# Altium PCB Основной блок.PcbDoc
Units mm, origin at the board's own origin, x right, y up, seen from the top; angles counter-clockwise.
Board outline 105 x 64 mm, 2 copper layers (Top Layer, Bottom Layer); 50 components, 52 nets, 217 pads, 20 vias.
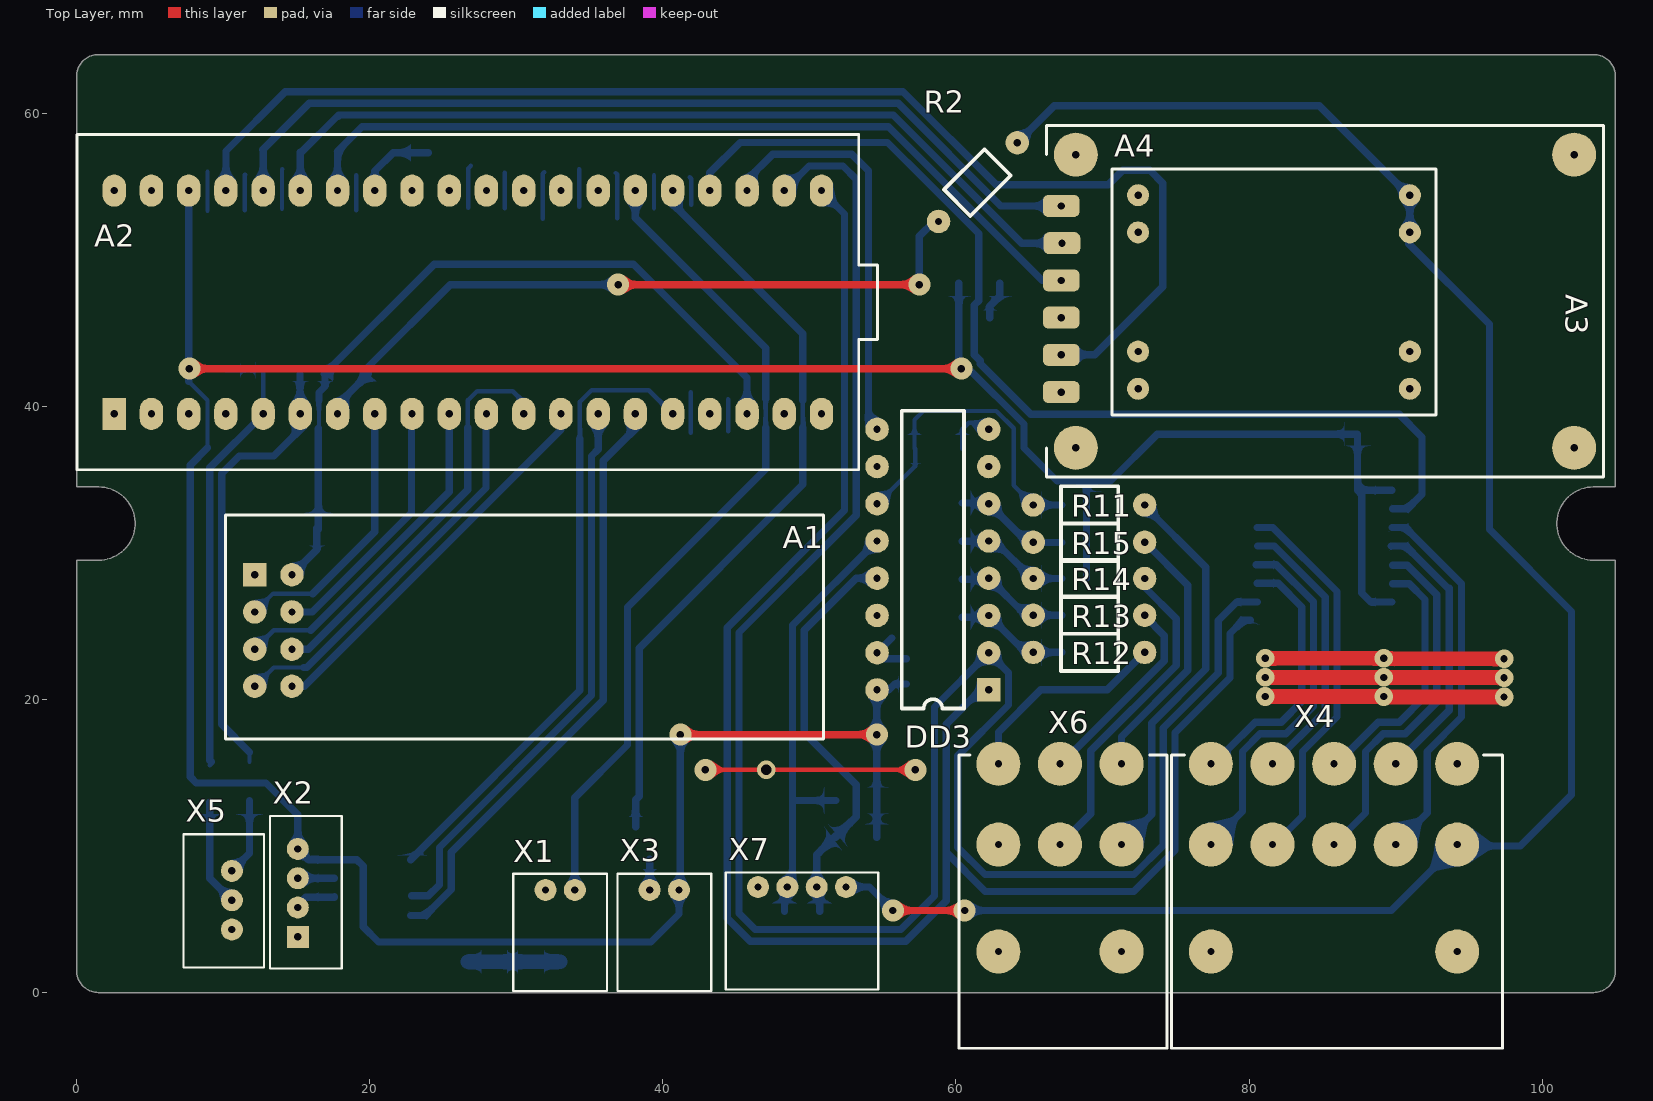
[diagram p0: Top Layer view]
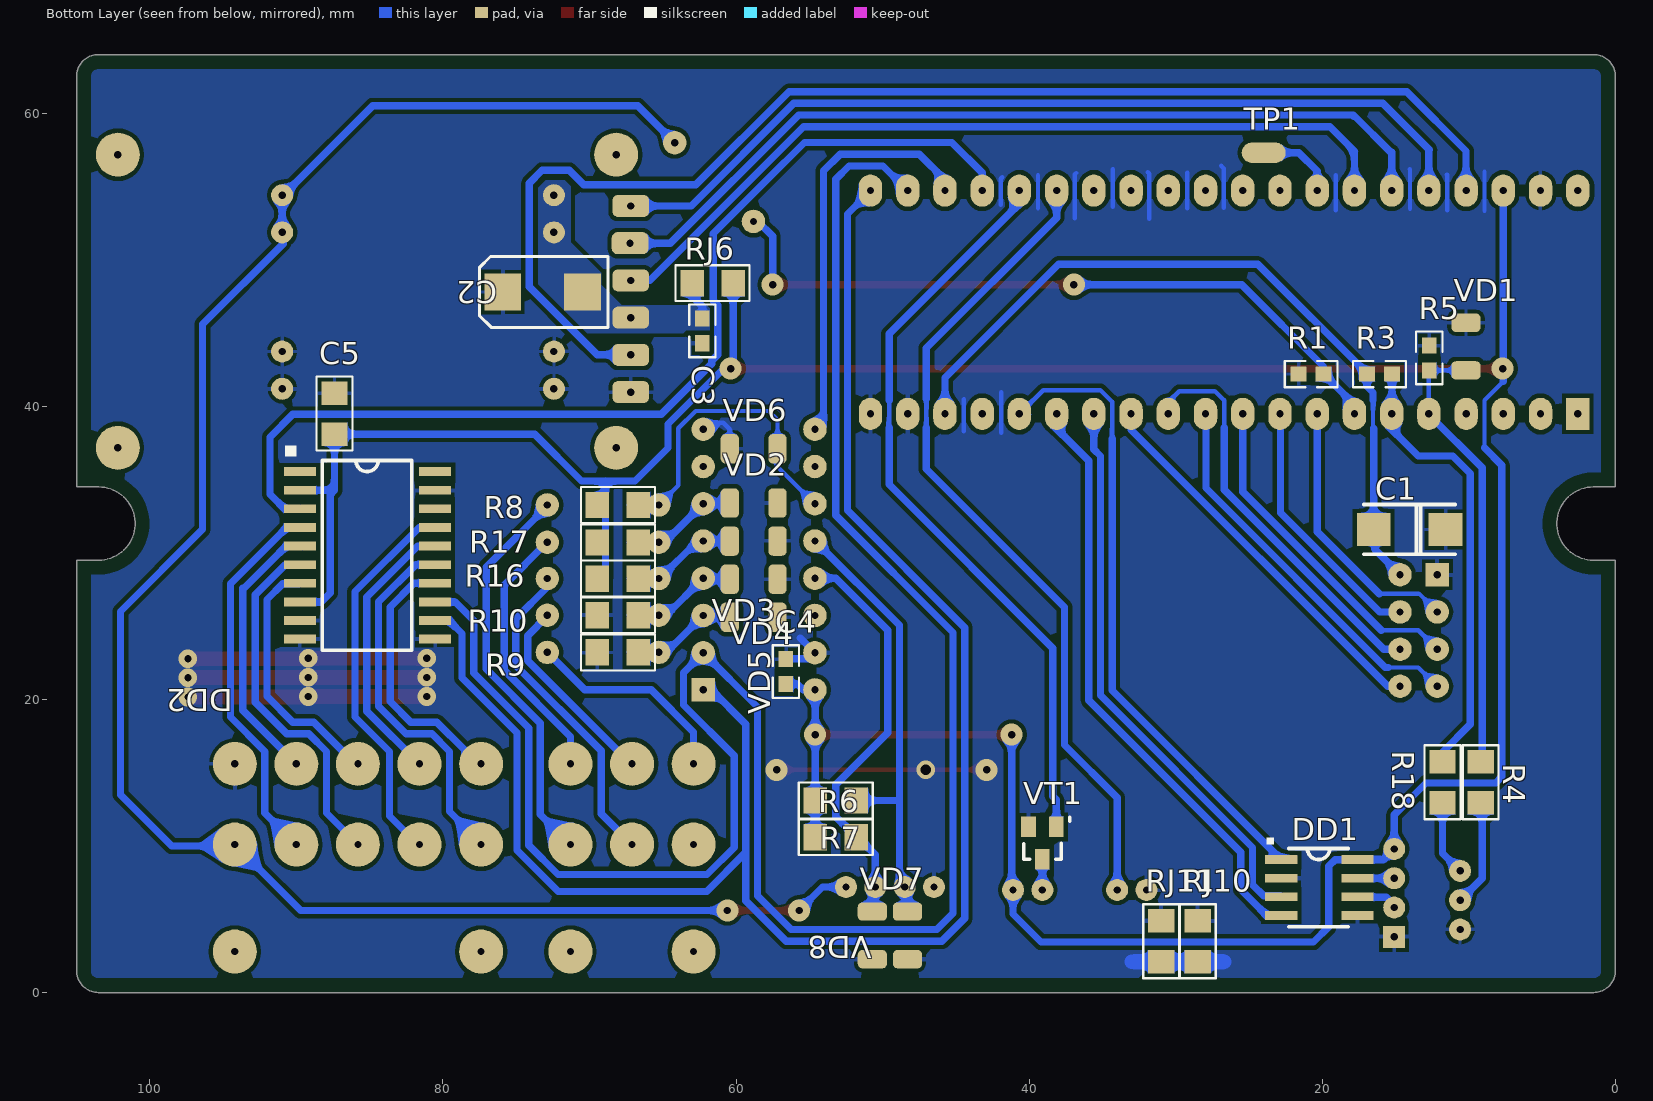
[diagram p1: Bottom Layer view, seen from below]
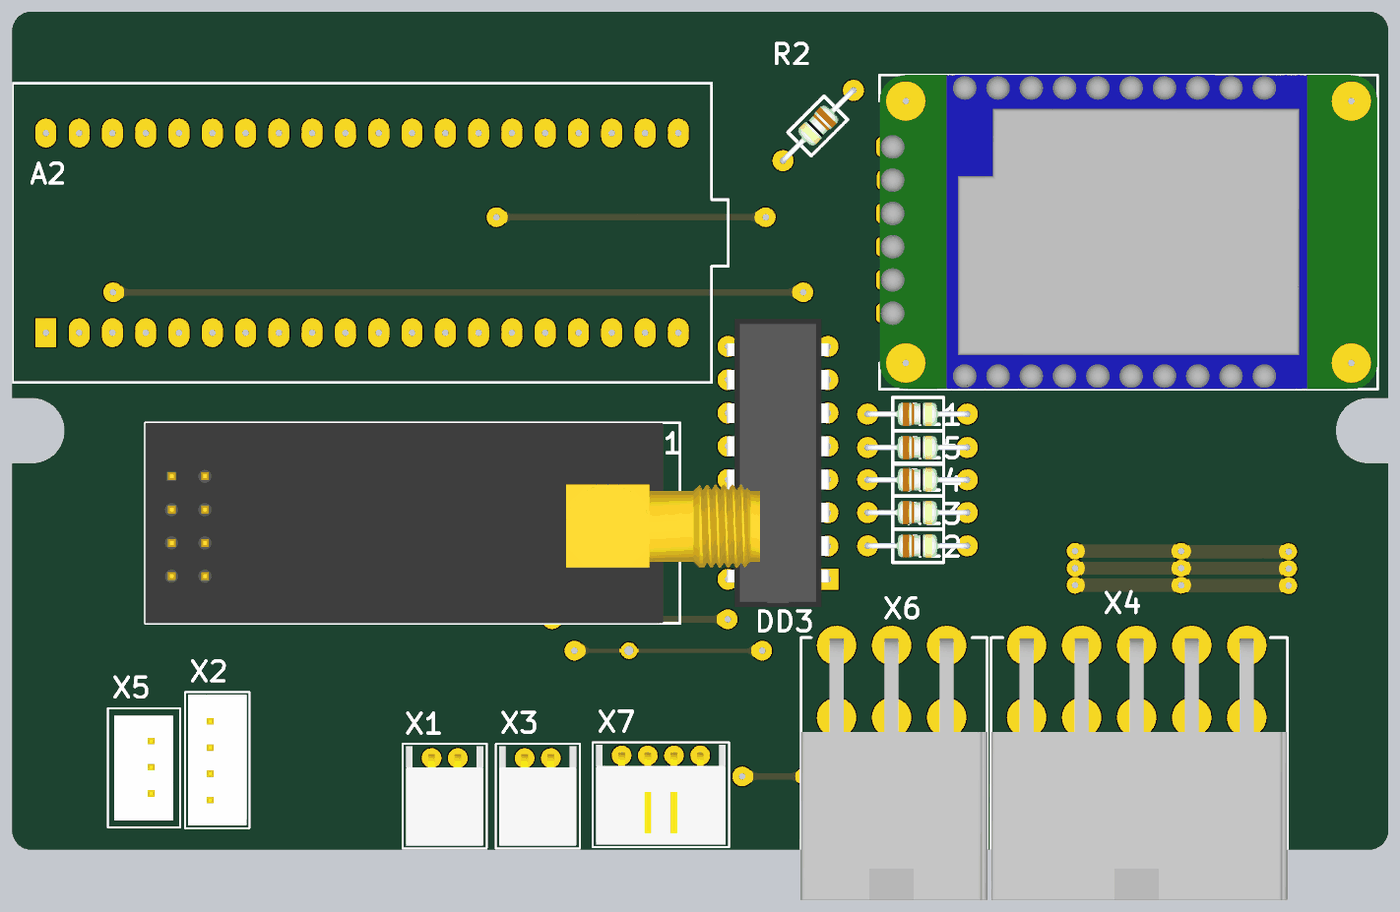
[diagram p2: 3D render of the assembled board from above, using the file's embedded part models]
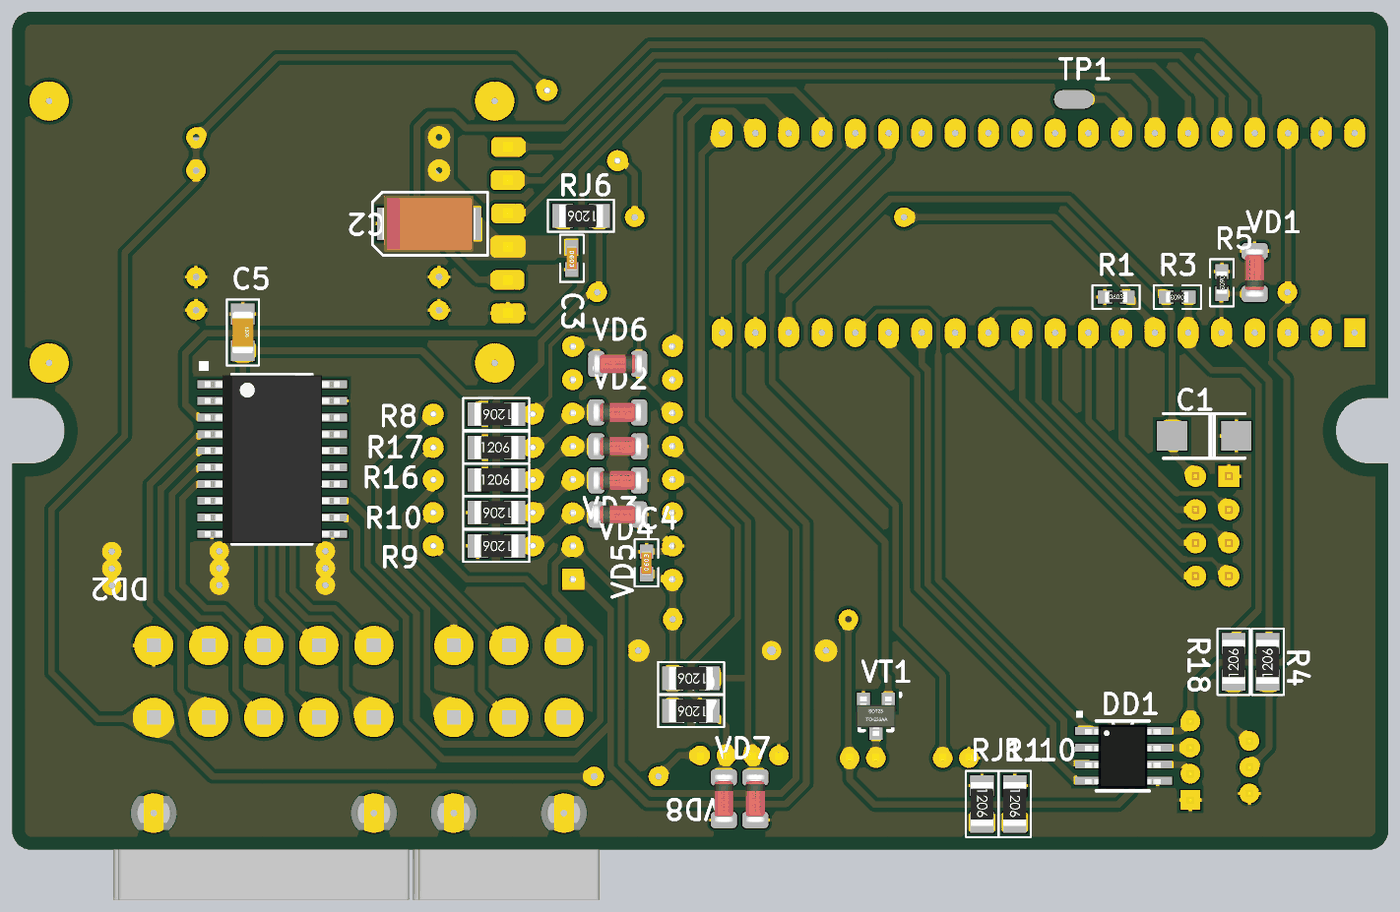
[diagram p3: 3D render of the assembled board from below, using the file's embedded part models]

## Layer stack, top to bottom
Top Solder: solder mask 0.0102, Solder Resist, Dk 3.5
Top Layer: signal copper 0.0356
Dielectric 1: dielectric 0.32, FR-4, Dk 4.8
Bottom Layer: signal copper 0.0356
Bottom Solder: solder mask 0.0102, Solder Resist, Dk 3.5

## Board outline
0,1.5 ccw(c1.5,1.5) 1.5,0 103.5,0 ccw(c103.5,1.5) 105,1.5 105,29.5 103.5,29.5 cw(c103.5,32) 103.5,34.5 105,34.5 105,62.5 ccw(c103.5,62.5) 103.5,64 1.5,64 ccw(c1.5,62.5) 0,62.5 0,34.5 1.5,34.5 cw(c1.5,32) 1.5,29.5 0,29.5

## Design rules (kind name [scope] priority, off if disabled: settings)
Clearance [All] p1: gap=0.3 except(0: Fill-Text Region-Text; 0.1: Poly-Text)
ComponentClearance ComponentClearance_Cross [InComponent('A3') vs InComponent('A2')] p1: gap=-50 collisioncheckmode=3 verticalgap=2540 showdistances=FALSE
ComponentClearance [All] p2: gap=0.254 collisioncheckmode=3 verticalgap=0.254 showdistances=FALSE
MinimumSolderMaskSliver [All] p1: minsoldermaskwidth=0.1
PolygonConnect PolygonConnect_1 [(InComponent('C2') or InComponent('C3') or InComponent('A3') or InComponent('A4')) and InNet('+5V')] p1: connectstyle=Direct reliefconductorwidth=0.254 reliefentries=4 polygonreliefangle="90 Angle" airgapwidth=0.254
PolygonConnect PolygonConnect_2 [IsVia and InNet('GND')] p2: connectstyle=Direct reliefconductorwidth=0.254 reliefentries=4 polygonreliefangle="90 Angle" airgapwidth=0.254
PolygonConnect [All] p3: connectstyle=Relief reliefconductorwidth=0.254 reliefentries=4 polygonreliefangle="90 Angle" airgapwidth=0.254
RoutingVias [All] p1: holewidth=0.5 width=1.5 viastyle="Through Hole" minholewidth=0.3 minwidth=0.8 maxholewidth=1 maxwidth=3
ShortCircuit ShortCircuit_Txt [IsPolygon vs IsText] p1: allowed=TRUE
ShortCircuit [All] p2: allowed=FALSE
SilkToSilkClearance [All] p1: silktosilkclearance=0
SilkToSolderMaskClearance [IsPad] p1: minsilkscreentomaskgap=0 clearancetoexposedcopper=TRUE
SolderMaskExpansion [All] p1: expansion=0.102
Width [All] p1: maxlimit=1 minlimit=0.2 preferedwidth=0.5
25 further rules are at their usual default settings.

## Components (designator, comment, footprint, x,y, rotation, side; value= is the part's Value field where it differs from the comment)
A1 "nRF24L01 + PA + LNA" "NRF24L01+PA+LNA THRUHOLE" 13.43,24.7 r180 top
A2 "STM32-1" "STM32 Module No. 1" 26.7,47.1 r0 top
A3 "M590E Сборка" M590E_Module_1 67.181,53.667 r270 top
A4 "LM2596 Module" "LM2596 Module" 81.7,47.8 r180 top
C1 "Конденсатор" CAP_TYPE_C 14.05,31.6 r0 bottom
C2 "Конденсатор" CAP_TYPE_D 73.2,47.8 r180 bottom
C3 "Конденсатор" CHIP_0603_C 62.3,45.15 r270 bottom
C4 "Конденсатор" CHIP_0603_C 56.6,21.9 r90 bottom
C5 "Конденсатор" CHIP_1206_C 87.4,39.5 r270 bottom
DD1 "ADM485AR" SO8 22.8,9.07 r270 bottom
DD2 "TPIC6B595" "SO20W - TPIC6B595" 85.15,29.828 r270 bottom
DD3 "74HC165" DIP16 58.43,29.54 r180 top
R1 "Резистор" CHIP_0603_R 20.769,42.2 r180 bottom
R2 "Резистор" "R_0.125 - 400mil" 61.5,55.3 r45 top
R3 "Резистор" CHIP_0603_R 16.1,42.2 r0 bottom
R4 "Резистор" CHIP_1206_R 9.2,14.35 r90 bottom
R5 "Резистор" CHIP_0603_R 12.7,43.3 r270 bottom
R6 "Резистор" CHIP_1206_R 53.2,13.1 r0 bottom
R7 "Резистор" CHIP_1206_R 53.2,10.6 r0 bottom
R8 "Резистор" CHIP_1206_R 68.064,33.267 r0 bottom
R9 "Резистор" CHIP_1206_R 68.064,23.207 r0 bottom
R10 "Резистор" CHIP_1206_R 68.064,25.747 r0 bottom
R11 "Резистор" "R_0.125 - 400mil" 69.074,33.267 r180 top
R12 "Резистор" "R_0.125 - 400mil" 69.074,23.207 r180 top
R13 "Резистор" "R_0.125 - 400mil" 69.074,25.747 r180 top
R14 "Резистор" "R_0.125 - 400mil" 69.074,28.25 r180 top
R15 "Резистор" "R_0.125 - 400mil" 69.074,30.717 r180 top
R16 "Резистор" CHIP_1206_R 68.064,28.245 r180 bottom
R17 "Резистор" CHIP_1206_R 68.064,30.71 r180 bottom
R18 "Резистор" CHIP_1206_R 11.8,14.35 r90 bottom
RJ6 "R0" CHIP_1206_R0 61.6,48.4 r0 bottom
RJ10 "R0" CHIP_1206_R0 28.5,3.5 r270 bottom
RJ11 "R0" CHIP_1206_R0 31,3.5 r270 bottom
TP1 "TEST_POINT" Pad_1 24,57.3 r0 bottom
VD1 "Zener" SOD-80 10.2,44.075 r90 bottom
VD2 "Zener" SOD-80 58.8,33.4 r180 bottom
VD3 "Zener" SOD-80 58.8,30.8 r180 bottom
VD4 "Zener" SOD-80 58.8,28.2 r180 bottom
VD5 "Zener" SOD-80 58.8,25.6 r180 bottom
VD6 "Zener" SOD-80 58.8,37.1 r0 bottom
VD7 "Zener" SOD-80 50.7,3.9 r270 bottom
VD8 "Zener" SOD-80 48.3,3.9 r270 bottom
VT1 "BJT, NPN" SOT-23 39.1,10.2 r0 bottom
X1 "PH-02M(R)" PH-02MR 33,7 r0 top
X2 "PH-04M(R)" PH-04M 15.1,6.8 r90 top
X3 "PH-02M(R)" PH-02MR 40.1,7 r0 top
X4 "MF 2x05 M(R)" "MF 2x05 R" 85.8,-3.8 r0 top
X5 "PH-03M(R)" PH-03M 10.6,6.3 r90 top
X6 "MF 2x03 M(R)" "MF 2x03 R" 67.1,-3.8 r0 top
X7 "PH-04M(R)" PH-04MR 49.5,7.2 r0 top

## Footprints (in the part's own frame and the unit in brackets; to place one, negate y for a bottom-side part, rotate by r counter-clockwise, add the part's x,y. Pads: shape width x height; smd on the part's side, far side on the other; paste and mask are expansions set on the pad)
CAP_TYPE_C [mm] "Tantalum capacitor, type C"
  rect 2.3x2.25 smd: 1(-2.45,0) 2(2.45,0)
  silkscreen extent -3.1,-1.7 3.1,1.7, body extent -3.1,-1.7 3.1,1.7, height 2.5
CAP_TYPE_D [mm]
  rect 2.5x2.5 smd: 1(-2.718,0) 2(2.718,0)
  silkscreen extent -4.32,-2.41 4.47,2.41, body extent -3.57,-2.15 3.57,2.15, height 2.8
CHIP_0603_C [mm]
  rect 1.1x1 smd: 1(-0.85,0) 2(0.85,0)
  silkscreen extent -1.8,-0.9 1.8,0.9, body extent -1,-0.39 1,0.39, height 0.79
CHIP_0603_R [mm]
  rect 1.1x1 smd: 1(-0.85,0) 2(0.85,0)
  silkscreen extent -1.8,-0.9 1.8,0.9, body extent -0.85,-0.4 0.85,0.4, height 0.56
CHIP_1206_C [mm]
  rect 1.6x1.8 smd: 1(-1.4,0) 2(1.4,0)
  silkscreen extent -2.53,-1.22 2.52,1.22, body extent -1.6,-0.8 1.6,0.8, height 1
CHIP_1206_R [mm]
  rect 1.6x1.8 smd: 1(-1.4,0) 2(1.4,0)
  silkscreen extent -2.53,-1.22 2.52,1.22, body extent -1.67,-0.87 1.67,0.87, height 0.85
CHIP_1206_R0 [mm]
  rect 1.6x1.8 smd: 1(-1.4,0) 2(1.4,0)
  silkscreen extent -2.53,-1.22 2.52,1.22, body extent -1.67,-0.86 1.68,0.86, height 0.85
DIP16 [mm]
  rect 1.6x1.6 hole 0.5: 1(-3.81,8.89)
  round 1.6 hole 0.5: 2(-3.81,6.35) 3(-3.81,3.81) 4(-3.81,1.27) 5(-3.81,-1.27) 6(-3.81,-3.81) 7(-3.81,-6.35) 8(-3.81,-8.89) 9(3.81,-8.89) 10(3.81,-6.35) 11(3.81,-3.81) 12(3.81,-1.27) 13(3.81,1.27) 14(3.81,3.81) 15(3.81,6.35) 16(3.81,8.89)
  silkscreen extent -2.13,-10.16 2.13,10.16, body extent -3.93,-11 3.94,11, height 5.15
"LM2596 Module" [mm] "Chinese DC-DC Step-Up Converter Module"
  round 1.5 hole 0.5: 1(-9.271,-4.064) 1(-9.271,-6.604) 2(-9.271,6.604) 2(-9.271,4.064) 2(9.271,6.604) 2(9.271,4.064) 3(9.271,-4.064) 3(9.271,-6.604)
  silkscreen extent -11.05,-8.38 11.05,8.38
M590E_Module_1 [mm]
  rrect50% 1.5x2.5 hole 0.5: 1(0,0) 2(2.54,0.053) 3(5.08,0) 4(7.62,0) 5(10.16,0) 6(12.7,0)
  round 3 hole 0.5 unplated: M(-3.5,35) M(-3.5,1) M(16.5,1) M(16.5,35)
  Top Layer pour cut-out: 16.5,-1 15.735,-0.848 15.086,-0.414 14.652,0.235 14.5,1 14.5,1 14.652,1.765 15.086,2.414 15.735,2.848 16.5,3 16.5,3 17.265,2.848 17.914,2.414 18.348,1.765 18.5,1 18.5,1 18.348,0.235 17.914,-0.414 17.265,-0.848 16.5,-1
  Top Layer pour cut-out: -3.5,-1 -4.265,-0.848 -4.914,-0.414 -5.348,0.235 -5.5,1 -5.5,1 -5.348,1.765 -4.914,2.414 -4.265,2.848 -3.5,3 -3.5,3 -2.735,2.848 -2.086,2.414 -1.652,1.765 -1.5,1 -1.5,1 -1.652,0.235 -2.086,-0.414 -2.735,-0.848 -3.5,-1
  Top Layer pour cut-out: -3.5,33 -4.265,33.152 -4.914,33.586 -5.348,34.235 -5.5,35 -5.5,35 -5.348,35.765 -4.914,36.414 -4.265,36.848 -3.5,37 -3.5,37 -2.735,36.848 -2.086,36.414 -1.652,35.765 -1.5,35 -1.5,35 -1.652,34.235 -2.086,33.586 -2.735,33.152 -3.5,33
  Top Layer pour cut-out: 16.5,33 15.735,33.152 15.086,33.586 14.652,34.235 14.5,35 14.5,35 14.652,35.765 15.086,36.414 15.735,36.848 16.5,37 16.5,37 17.265,36.848 17.914,36.414 18.348,35.765 18.5,35 18.5,35 18.348,34.235 17.914,33.586 17.265,33.152 16.5,33
  silkscreen extent -5.5,-1 18.5,37, body extent -5.5,-1 18.5,37, height 12.3
"MF 2x03 R" [mm]
  round 3 hole 0.5: 1(4.2,13.9) 2(0,13.9) 3(-4.2,13.9) 4(4.2,19.4) 5(0,19.4) 6(-4.2,19.4)
  round 3 hole 0.5 unplated: MH(-4.2,6.6) MH(4.2,6.6)
  silkscreen extent -6.9,0 7.3,20, body extent -6.9,0 7.3,19.93, height 11.4
"MF 2x05 R" [mm]
  round 3 hole 0.5: 1(8.4,13.9) 2(4.2,13.9) 3(0,13.9) 4(-4.2,13.9) 5(-8.4,13.9) 6(8.4,19.4) 7(4.2,19.4) 8(0,19.4) 9(-4.2,19.4) 10(-8.4,19.4)
  round 3 hole 0.5 unplated: MH(-8.4,6.6) MH(8.4,6.6)
  silkscreen extent -11.1,0 11.5,20, body extent -11.1,0 11.5,19.93, height 11.4
"NRF24L01+PA+LNA THRUHOLE" [mm] "RF TRX Module nRF24L01"
  rect 1.6x1.6 hole 0.5: 1(1.27,-3.81)
  round 1.6 hole 0.5: 2(-1.27,-3.81) 3(1.27,-1.27) 4(-1.27,-1.27) 5(1.27,1.27) 6(-1.27,1.27) 7(1.27,3.81) 8(-1.27,3.81)
  silkscreen extent -37.53,-7.89 3.27,7.41, body extent -43.64,-7.89 3.27,7.41, height 15.58
Pad_1 [mm]
  oval 3x1.4 smd paste+0 mask+0.1: 1(0,0)
PH-02MR [mm] "Connector"
  round 1.5 hole 0.5: 1(-1,0) 2(1,0)
  silkscreen extent -3.2,-6.9 3.2,1.1, body extent -2.95,-6.7 2.95,0.9, height 4.5
PH-03M [mm]
  round 1.5 hole 0.5: 1(-2,0) 2(0,0) 3(2,0)
  silkscreen extent -4.6,-2.2 4.5,3.3, body extent -4.05,-1.7 3.95,2.8, height 6
PH-04M [mm]
  rect 1.5x1.5 hole 0.5: 1(-3,0)
  round 1.5 hole 0.5: 2(-1,0) 3(1,0) 4(3,0)
  silkscreen extent -5.15,-3 5.25,1.9, body extent -4.95,-2.8 5.05,1.7, height 6
PH-04MR [mm]
  round 1.5 hole 0.5: 1(-3,0) 2(-1,0) 3(1,0) 4(3,0)
  silkscreen extent -5.2,-7 5.2,1, body extent -4.95,-6.8 4.95,0.8, height 4.5
"R_0.125 - 400mil" [mm]
  round 1.6 hole 0.5: 1(-3.8,0) 2(3.8,0)
  silkscreen extent -2,-1.27 1.9,1.27, body extent -4,-0.9 4,0.9, height 3.9
SO8 [mm]
  rect 0.6x2.2 smd: 1(0,0) 2(1.27,0) 3(2.54,0) 4(3.81,0) 5(3.81,5.2) 6(2.54,5.2) 7(1.27,5.2) 8(0,5.2)
  silkscreen extent -1.52,-1.02 4.57,4.57, body extent -0.5,-0.35 4.4,5.43, height 1.45
"SO20W - TPIC6B595" [mm] "Custom footprint fot TPIC6B595"
  rect 0.6x2.2 smd: 1(-5.715,-4.6) 2(-4.445,-4.6) 3(-3.175,-4.6) 4(-1.905,-4.6) 5(-0.635,-4.6) 6(0.635,-4.6) 7(1.905,-4.6) 8(3.175,-4.6) 9(4.445,-4.6) 10(-4.445,4.6) 10(5.715,-4.6) 10(5.715,4.6) 12(4.445,4.6) 13(3.175,4.6) 14(1.905,4.6) 15(0.635,4.6) 16(-0.635,4.6) 17(-1.905,4.6) 18(-3.175,4.6) 20(-5.715,4.6)
  silkscreen extent -7.49,-5.62 6.48,3.02, body extent -6.41,-5.16 6.41,5.15, height 2.48
SOD-80 [mm]
  rrect50% 1.25x2 smd: 1(-1.625,0) 2(1.625,0)
  body extent -1.88,-0.8 1.82,0.8, height 1.6
SOT-23 [mm]
  rect 1x1.4 smd: 1(-0.95,-1.1) 2(0.95,-1.1) 3(0,1.1)
  silkscreen extent -1.88,-1.75 1.28,1.1, body extent -1.5,-1.5 1.5,1.5, height 1.3
"STM32 Module No. 1" [mm]
  rect 1.6x2.2 hole 0.5: 1(-24.13,-7.62)
  oval 1.6x2.2 hole 0.5: 2(-21.59,-7.62) 3(-19.05,-7.62) 4(-16.51,-7.62) 5(-13.97,-7.62) 6(-11.43,-7.62) 7(-8.89,-7.62) 8(-6.35,-7.62) 9(-3.81,-7.62) 10(-1.27,-7.62) 11(1.27,-7.62) 12(3.81,-7.62) 13(6.35,-7.62) 14(8.89,-7.62) 15(11.43,-7.62) 16(13.97,-7.62) 17(16.51,-7.62) 18(19.05,-7.62) 19(21.59,-7.62) 20(24.13,-7.62) 21(24.13,7.62) 22(21.59,7.62) 23(19.05,7.62) 24(16.51,7.62) 25(13.97,7.62) 26(11.43,7.62) 27(8.89,7.62) 28(6.35,7.62) 29(3.81,7.62) 30(1.27,7.62) 31(-1.27,7.62) 32(-3.81,7.62) 33(-6.35,7.62) 34(-8.89,7.62) 35(-11.43,7.62) 36(-13.97,7.62) 37(-16.51,7.62) 38(-19.05,7.62) 39(-21.59,7.62) 40(-24.13,7.62)
  silkscreen extent -26.67,-11.43 27.94,11.43

## Part data
A1 A2 A3 A4 C1 C2 C3 C4 C5 DD1 DD2 DD3 R1 R2 R3 R4 R5 R6 R7 R8 R9 R10 R11 R12 R13 R14 R15 R16 R17 R18 RJ6 RJ10 RJ11 TP1 VD1 VD2 VD3 VD4 VD5 VD6 VD7 VD8 VT1 X1 X2 X3 X4 X5 X6 X7: "=PartNumber"

## Via types
v1: diameter 1.5, hole 0.5, Top Layer to Bottom Layer, 10 vias
v2: diameter 1.27, hole 0.5, Top Layer to Bottom Layer, 9 vias
v3: diameter 1.27, hole 0.711, Top Layer to Bottom Layer, 1 vias

## Nets (pads, with @x,y where several pads share a name; then routed paths per layer and width w, separated by ;. In a path a pad name is that pad's centre, name@x,y a point inside that pad or via, vN(x,y) a via of type N, cw(c..) or ccw(c..) an arc to the next point about the centre after c; other vN are vias at no path point)
+3.3V: A1.2 A2.18 C1.2 R3.2 | length 52.3
  Bottom Layer w0.3: 16.51,38.5 16.54,38.53 16.54,40.419
  Bottom Layer w0.5: A1.2 16.4,30.21 C1.2@16.4,31.7 ; C1.2 16.5,38.49 16.51,38.5 ; 16.54,40.419 16.54,40.94 16.95,41.35 R3.2 ; R3.2@16.9,42.2 24.4,49.7 38,49.7 45.75,41.95 A2.18
+5V: A2.38 A3.4 A4.3 C2.2 C3.1 C4.1 C5.2 DD1.8 DD2.2 DD2.8 DD3.16 R6.2 R7.2 R8.2 R16.1 R17.1 RJ6.1 RJ6.2 X2.4 X3.2 | length 237.2
  Top Layer w0.5: v1@7.683,42.567 v1(7.7,42.567) v1(60.367,42.567) ; v1(41.2,17.6) v1(54.6,17.6)
  Bottom Layer w0.3: 7.65,41.689 8.935,40.404 8.935,37.169
  Bottom Layer w0.5: 7.65,41.689 A2.38 ; 8.935,37.169 7.75,35.984 7.75,14.722 8.172,14.3 12.928,14.3 15.1,12.128 X2.4 15.83,9.07 DD1.8 19.13,9.07 19.566,8.634 19.566,4.484 20.6,3.45 39.19,3.45 41.1,5.36 X3.2 41.2,7.1 v1(41.2,17.6) ; R7.2 R6.2 v1(54.6,17.6) 54.6,20.58 DD3.16@54.62,20.6 ; DD3.16 55.423,20.65 55.823,21.05 C4.1@56.6,21.05 ; v1@60.2,42.75 RJ6.1 ; v1(60.367,42.567) 60.861,42.567 64.642,38.786 64.642,37.158 66.9,34.9 68.914,34.9 ; C3.1@62.3,46.048 62.3,46.828 63,47.528 RJ6.2 ; R16.1@68.914,28.245 R8.2@68.914,33.253 ; R8.2@68.914,33.267 68.914,34.9 ; DD2.8 88.305,26.653 87.7,27.258 87.7,33.973 87.4,34.273 ; DD2.2 87.4,34.273 ; 68.914,34.9 70.547,34.9 73.747,38.1 C5.2 87.4,34.273
+12V: A4.1 R2.2 X4.1 X7.4 | length 129.3
  Top Layer w0.5: v1(55.7,5.6) v1(60.6,5.6)
  Bottom Layer w0.5: X7.4 54.1,7.2 v1(55.7,5.6) ; v1(60.6,5.6) 89.7,5.6 X4.1 ; R2.2 66.7,60.5 84.8,60.5 A4.1@90.9,54.4 ; A4.1@90.9,51.9 90.9,51.1 96.4,45.6 96.4,31.6 102,26 102,13.5 98.5,10 X4.1@94.2,10 ; A4.1@90.971,51.864 A4.1@90.971,54.4
ALARM: DD2.7 X4.8 | length 17.5
  Bottom Layer w0.5: X4.8 86.254,15.6 86.254,15.884 88.819,18.45 90.25,18.45 92.01,20.21 92.01,26.708 ; DD2.7@89.792,27.9 90.923,27.9 92.01,26.813
BRAKE/SEL: R14.1 X6.2 | length 22.3
  Bottom Layer w0.5: X6.2@67.1,10.101 69.2,12.201 69.2,16.493 75.024,22.317 75.024,25.507 72.9,27.631 R14.1@72.9,28.25
CLOSE: DD2.14 X4.10 | length 18.7
  Bottom Layer w0.5: X4.10 78.533,15.6 78.533,16.564 80.419,18.45 82.187,18.45 83.6,19.863 83.6,26.308 81.985,27.923 DD2.14
DOORS: R15.1 X6.4 | length 18.2
  Bottom Layer w0.5: X6.4 71.3,17.461 75.824,21.986 75.824,27.793 R15.1@72.9,30.718
EXT_220: R11.1 X6.1 | length 27.3
  Bottom Layer w0.5: X6.1 73.35,12.15 73.35,18.38 77.05,22.08 77.05,29.017 R11.1@72.8,33.267
GND: A1.1 A2.19 A2.20 A2.39 A3.6 A4.2 C1.1 C2.1 C3.2 C4.2 C5.1 DD1.2 DD1.5 DD2.9 DD2.10 DD3.8 DD3.15 R1.1 R5.1 R9.2 R10.2 RJ10.1 RJ10.2 RJ11.1 RJ11.2 VD1.2 VD2.2 VD3.2 VD4.2 VD5.2 VD6.2 VD7.2 VD8.2 VT1.2 X1.1 X2.1 X4.6 X5.1 X7.1 | length 110.3
  Top Layer w0.3: v1(42.9,15.2) v3(47.063,15.2) v1(57.234,15.2)
  Top Layer w1: v2(81.1,21.5) v2(89.2,21.5) v2@97.4,21.5 ; v2(81.1,22.8) v2(89.2,22.8) 89.233,22.767 v2(97.4,22.767) ; v2(81.1,20.199) v2(89.2,20.199) 89.233,20.167 v2(97.4,20.167)
  Bottom Layer w0.3: 8.935,53.348 8.935,56.006 ; 11.48,53.368 11.48,55.785 11.5,55.805 ; 14.02,53.467 14.02,56.159 14.035,56.174 ; 19.095,53.386 19.095,55.772 ; 26.72,53.54 26.72,56.222 26.898,56.4 ; 29.2,55.941 29.22,55.921 29.22,53.519 ; 31.8,52.8 31.8,55.87 31.9,55.97 ; 34.283,56.183 34.3,56.166 34.3,53.619 ; 36.8,55.914 36.88,55.834 36.88,52.82 ; 39.4,53.519 39.4,55.751 ; 41.834,55.631 41.945,55.52 41.945,53.738 ; 41.9,40.955 41.92,40.935 41.92,38.187 ; 44.446,40.48 44.46,40.466 44.46,38.295 ; VD6.2 60.425,38.43 60.879,38.884 61.786,38.884 DD3.8
  Bottom Layer w0.5: 55.623,24.193 DD3.15 55.043,22.767 C4.2@56.617,22.767
  Bottom Layer w1: 26.7,2.1 RJ10.2 RJ11.2 33,2.1
  other v2: 97.4,21.467
GSM_DTR: A2.33 TP1.1 | length 5.5
  Bottom Layer w0.5: A2.33 20.35,56.05 21.6,57.3 TP1.1
GSM_PWR: A2.37 A3.5 | length 88.1
  Bottom Layer w0.5: A2.37@10.19,54.8 10.2,54.81 10.2,57.42 14.25,61.47 56.391,61.47 62.743,55.118 70.4,55.118 71.382,56.1 73.237,56.1 74.118,55.219 74.118,48.158 69.482,43.522 A3.5@67.176,43.522 ; A3.5 A3.5@67.707,43.507
GSM_RING: A2.36 A3.1 | length 61.5
  Bottom Layer w0.5: A2.36 12.73,57.47 12.7,57.5 15.87,60.67 56.059,60.67 63.062,53.667 A3.1
GSM_RX: A2.35 A3.2 | length 59.5
  Bottom Layer w0.5: A2.35 15.27,57.33 15.3,57.3 17.87,59.87 ; 17.87,59.8 17.94,59.87 55.728,59.87 64.483,51.115 A3.2@67.234,51.115 ; A3.2@67.099,51.262 A3.2
GSM_TX: A2.34 A3.3 | length 57.2
  Bottom Layer w0.5: A2.34 17.81,57.4 ; 17.87,57.47 17.81,57.41 17.81,57.4 ; A3.3 65.879,48.587 55.397,59.07 19.48,59.07 17.81,57.4
HEATER: DD2.16 X4.9 | length 18.9
  Bottom Layer w0.5: DD2.16@80.6,30.463 81.726,30.463 85.2,26.989 85.2,19.2 X4.9
IGN_CTRL: DD2.4 X4.2 | length 25.9
  Bottom Layer w0.5: DD2.4 90.658,31.733 94.459,27.931 ; X4.2 92.15,12.25 92.15,16.449 94.5,18.799 94.5,27.9
IGN_SENSE: R13.1 X6.5 | length 13.7
  Bottom Layer w0.5: X6.5 67.176,15.6 74.224,22.648 74.224,24.35 R13.1@72.874,25.7
LED: A2.25 VT1.1 | length 51.8
  Bottom Layer w0.3: 49.56,38.541 49.56,40.36 49.6,40.4
  Bottom Layer w0.5: VT1.1 38.15,13.15 38.4,13.4 38.4,23.5 49.56,34.66 49.56,38.541 ; A2.25 40.67,53.83 49.56,44.94 49.56,40.419
LIGHTS: DD2.17 X4.4 | length 26.4
  Bottom Layer w0.5: DD2.17 81.625,31.733 86,27.358 86,24.1 86,18.8 83.65,16.45 83.65,12.05 X4.4@81.6,10
LOCK: DD2.6 X4.3 | length 24.7
  Bottom Layer w0.5: X4.3 87.95,12.25 87.95,16.449 89.151,17.65 90.65,17.65 92.81,19.81 92.81,27.144 90.796,29.158 DD2.6@89.8,29.158
LVRPM: A2.5 R4.2 R5.2 VD1.1 | length 31
  Bottom Layer w0.3: R4.2@9.1,15.5 9.2,15.6 R4.2 ; VD1.1 12.65,42.45 12.73,42.37 A2.5 A2.5@12.73,39.442
  Bottom Layer w0.5: R4.2 9.1,15.85 9.1,35.812 A2.5@12.73,39.442
LVTEMP: A2.6 R3.1 R18.2 | length 30.9
  Bottom Layer w0.3: 10,35.511 10,35.543 ; R18.2 R18.2@11.8,16.4
  Bottom Layer w0.5: R18.2@11.8,16.4 9.9,18.3 9.9,35.411 10,35.511 11.101,36.612 13.462,36.612 15.27,38.42 A2.6 15.25,39.5 R3.1
NBRAKE/SEL: DD3.5 R14.2 R16.2 VD3.1 | length 7.8
  Bottom Layer w0.5: VD3.1 DD3.5@62.3,30.8 ; DD3.5 62.635,30.81 R14.2@65.2,28.245 ; R14.2@65.293,28.245 R16.2 R16.2@67.214,28.245
NDOORS: DD3.6 R15.2 R17.2 VD2.1 | length 7.9
  Bottom Layer w0.5: VD2.1 DD3.6@62.24,33.4 ; DD3.6 64.89,30.7 65.207,30.7 65.217,30.71 R17.2 R17.2@67.214,30.71
NetDD1_6: DD1.6 X2.2 | length 2.9
  Bottom Layer w0.5: X2.2 15.1,5.982 15.618,6.5 17.6,6.5 DD1.6
NetDD1_7: DD1.7 X2.3 | length 2.5
  Bottom Layer w0.5: X2.3 DD1.7
NEXT_220: DD3.11 R8.1 R11.2 VD6.1 | length 22.2
  Bottom Layer w0.3: DD3.11@54.6,33.3 57.215,35.915 VD6.1@57.215,37.1 ; VD6.1 57.175,39.074 57.781,39.68 62.758,39.68 63.942,38.496 63.942,34.6 R11.2
  Bottom Layer w0.5: R11.2@65.217,33.2 65.285,33.267 R8.1 R8.1@67.214,33.267
NIGN_SENSE: DD3.4 R10.1 R13.2 VD4.1 | length 7.8
  Bottom Layer w0.5: VD4.1 62.23,28.2 DD3.4@62.27,28.24 ; DD3.4@62.3,28.27 DD3.4@62.27,28.24 ; R13.2@65.274,25.73 64.78,25.73 DD3.4@62.27,28.24 ; R13.2@65.347,25.747 R10.1 R10.1@67.214,25.747
NLED: VT1.3 X3.1 | length 2.1
  Bottom Layer w0.5: X3.1 VT1.3
NPLUGS: DD3.3 R9.1 R12.2 VD5.1 | length 8
  Bottom Layer w0.5: VD5.1 62.13,25.6 DD3.3@62.23,25.7 ; DD3.3 64.78,23.19 R12.2@65.3,23.19 ; R12.2@65.2,23.2 65.207,23.207 R9.1 R9.1@67.214,23.207
OPEN: DD2.15 X4.5 | length 25.3
  Bottom Layer w0.5: X4.5@77.4,10.2 79.55,12.35 ; 79.55,12.4 79.55,16.449 80.751,17.65 82.519,17.65 84.4,19.531 84.4,26.658 81.865,29.193 DD2.15 DD2.15@80.5,29.193
PLUGS: R12.1 X6.6 | length 14.4
  Bottom Layer w0.5: X6.6 62.9,17.763 65.787,20.65 70.317,20.65 R12.1
RADIO_CE: A1.3 A2.8 | length 18.5
  Bottom Layer w0.3: A1.3 13.41,27.22 16.12,27.22 ; A2.8 A2.8@20.35,39.5
  Bottom Layer w0.5: 16.12,27.22 20.35,31.45 A2.8
RADIO_CS: A1.4 A2.9 | length 17.7
  Bottom Layer w0.3: A2.9 A2.9@22.89,39.5
  Bottom Layer w0.5: A1.4 16.093,25.97 22.853,32.731 A2.9@22.853,39.5
RADIO_IRQ: A1.8 A2.13 | length 26.8
  Bottom Layer w0.3: A2.13@33.05,39.45 A2.13@33.1,39.5
  Bottom Layer w0.5: A1.8 15.538,20.89 33.05,38.402 33.05,39.45 A2.13@33.05,39.5
RPM: R4.1 X5.2 | length 7.3
  Bottom Layer w0.5: R4.1@9.1,13 9.1,7.8 X5.2
RS485_RX: A2.16 DD1.1 | length 43.3
  Bottom Layer w0.3: 34.34,37.787 34.34,40.298 35.142,41.1 39.05,41.1 A2.16
  Bottom Layer w0.5: DD1.1 34.34,20.61 34.34,37.787
RS485_TE: A2.14 DD1.3 | length 39.3
  Bottom Layer w0.3: A2.14@35.2,39.1 A2.14@35.6,39.5
  Bottom Layer w0.5: DD1.3@22.882,6.6 24,6.6 24.761,7.361 24.761,9.9 24.766,9.9 35.14,20.274 35.14,36.612 35.59,37.063 A2.14@35.59,39.45
RS485_TX: A2.15 DD1.4 | length 41.2
  Bottom Layer w0.5: DD1.4 23.791,5.26 25.561,7.03 25.561,9.564 35.94,19.943 35.94,36.281 38.15,38.491 A2.15@38.15,39.48
SERVICE_BTN: A2.26 X1.2 | length 56.8
  Bottom Layer w0.3: 47.02,38.541 47.02,40.5
  Bottom Layer w0.5: X1.2 34,13.3 37.589,16.889 37.589,26.289 47.02,35.72 47.02,38.541 ; A2.26@38.13,54.7 38.13,52.87 47.02,43.98 47.02,40.5
SHOCK_HI: DD3.12 R6.1 VD8.1 X7.2 | length 30.9
  Bottom Layer w0.5: VD8.1 48.3,6.9 X7.2@48.6,7.2 ; X7.2 48.85,7.55 48.85,25.05 DD3.12@54.6,30.8 ; 48.875,13.1 R6.1
SHOCK_LO: DD3.13 R7.1 VD7.1 X7.3 | length 28.4
  Bottom Layer w0.5: VD7.1 50.7,7 X7.3 50.5,9.4 R7.1@51.8,10.7 ; R7.1 53.2,12 53.2,14.178 49.65,17.728 49.65,24.719 53.201,28.27 DD3.13 DD3.13@54.62,28.3
SPI1_MISO: A1.7 A2.11 | length 26.5
  Bottom Layer w0.3: A1.7 13.45,22.18 15.507,22.18 ; A2.11@27.9,39.48 27.941,39.439 A2.11@27.941,39.48
  Bottom Layer w0.5: 15.507,22.18 15.697,22.18 27.941,34.424 A2.11@27.941,39.439
SPI1_MOSI: A1.6 A2.12 | length 27.8
  Bottom Layer w0.3: 26.674,40.4 26.7,40.374 26.7,38.541 ; 26.7,40.4 27.33,41.03 29.77,41.03 30.5,40.3 A2.12@30.5,39.5
  Bottom Layer w0.5: A1.6 15.815,23.43 26.7,34.315 26.7,38.541
SPI1_SCK: A1.5 A2.10 | length 23.1
  Bottom Layer w0.3: A1.5 13.45,24.72 15.974,24.72 ; A2.10@25.43,39.43 A2.10@25.5,39.5
  Bottom Layer w0.5: 15.974,24.72 25.43,34.176 A2.10@25.43,39.43
SPI2_MISO: A2.23 DD3.9 | length 29
  Bottom Layer w0.5: A2.23@45.75,54.7 A2.23 45.75,55.45 47.5,57.2 52.9,57.2 ; 52.9,57.202 54.035,56.067 54.035,38.963 DD3.9@54.62,38.379 ; 54.039,38.991 DD3.9@54.6,38.43
SPI2_MOSI: A2.24 DD2.3 | length 70.7
  Bottom Layer w0.5: A2.24 43.21,55.93 45.282,58.002 55.333,58.002 57.935,55.4 61.55,51.785 61.55,47.209 61.25,46.909 61.25,43.522 61.667,43.105 61.667,42.892 65.109,39.45 90.246,39.45 91.8,37.896 91.8,34 90.803,33.003 DD2.3@89.8,33.003
SPI2_SCK: A2.22 DD2.13 DD3.2 | length 143.4
  Bottom Layer w0.5: 45.2,24.371 45.2,24.569 ; A2.22 49.97,56.4 52.3,56.4 53.2,55.5 53.2,32.569 45.2,24.569 ; DD3.2@62.2,23.207 DD3.2@62.229,23.179 ; DD3.2 DD3.2@62.229,23.179 ; DD2.13 79.17,26.653 77.9,25.383 77.9,21.799 74.15,18.049 74.15,10.051 72.149,8.05 61.984,8.05 60.134,9.9 60.134,16.166 63.59,19.622 63.59,21.818 DD3.2@62.229,23.179 ; 45.2,24.569 45.2,5.4 46.3,4.3 56.238,4.3 58.534,6.596 58.534,19.484 DD3.2@62.229,23.179
START: DD2.5 X4.7 | length 18.7
  Bottom Layer w0.5: DD2.5@89.7,30.463 DD2.5 90.695,30.463 93.659,27.498 ; X4.7 93.659,19.259 93.659,27.498 ; 93.664,27.595 93.659,27.59 93.659,27.498
STROBE: A2.21 DD2.12 DD3.1 | length 122.3
  Bottom Layer w0.5: A2.21@50.8,54.72 52.395,53.125 52.395,46.157 52.4,46.152 52.4,32.9 44.4,24.9 44.4,5.069 45.969,3.5 56.57,3.5 59.334,6.264 59.334,9.569 ; DD3.1 61.681,20.65 59.334,18.303 59.334,9.569 ; DD2.12@80.1,25.4 79.6,25.4 78.7,24.5 78.7,22.438 78.7,21.467 74.95,17.717 74.95,9.719 72.131,6.9 62.003,6.9 59.334,9.569
TEMP: R18.1 X5.3 | length 5.3
  Bottom Layer w0.5: X5.3 11.8,9.5 R18.1 R18.1@11.8,13.1
VOLTAGE: A2.7 R1.2 R2.1 | length 49
  Top Layer w0.5: v1(36.953,48.3) v1(57.5,48.3)
  Bottom Layer w0.5: A2.7 17.81,40.11 R1.2@19.9,42.2 ; R1.2 19.919,42.719 25.5,48.3 v1(36.953,48.3) ; v1(57.5,48.3) 57.5,51.6 58.513,52.613 R2.1@58.793,52.613
pads on no net: A2.1 A2.2 A2.3 A2.4 A2.17 A2.27 A2.28 A2.29 A2.30 A2.31 A2.32 A2.40 A3.M DD2.1 DD2.18 DD2.20 DD3.7 DD3.10 DD3.14 X4.MH X6.3 X6.MH

## Polygon pours and split planes (outlines as drawn)
+5V on Bottom Layer "+5V_L02_P000" (solid, pour order 0): 71.291,55.009 71.691,55.409 72.991,55.409 73.5,54.9 73.5,48.336 71.691,46.527 70.164,45 63.6,45 63.4,45.2 61.6,45.2 61.6,46.9 62.6,46.9 67.8,46.9 69.202,48.302 69.202,49.1 71.291,51.189
GND on Bottom Layer "GND_L02_P003" (solid, pour order 3): 0.997,1.45 ccw(c1.45,1.45) 1.45,0.997 103.55,1 ccw(c103.551,1.451) 104.003,1.45 104,28.5 103.5,28.5 cw(c103.5,32) 103.5,35.5 104,35.5 103.996,62.5 ccw(c103.498,62.502) 103.5,63 1.5,63 ccw(c1.5,62.5) 1,62.5 1,35.5 1.5,35.5 cw(c1.5,32) 1.5,28.5 1,28.5

## Silkscreen, mask and mechanical layers (free items; w line width, h text height)
Mechanical 2:
  rectangle: -1,-1 106,65
Mechanical 4:
  the board outline again, w0.4
Text:
  text "11.05.2017 / ver. 0,9" at 31.3,19.7 h3